# Altium PCB extio.PcbDoc (part 1 of 2) (continued)
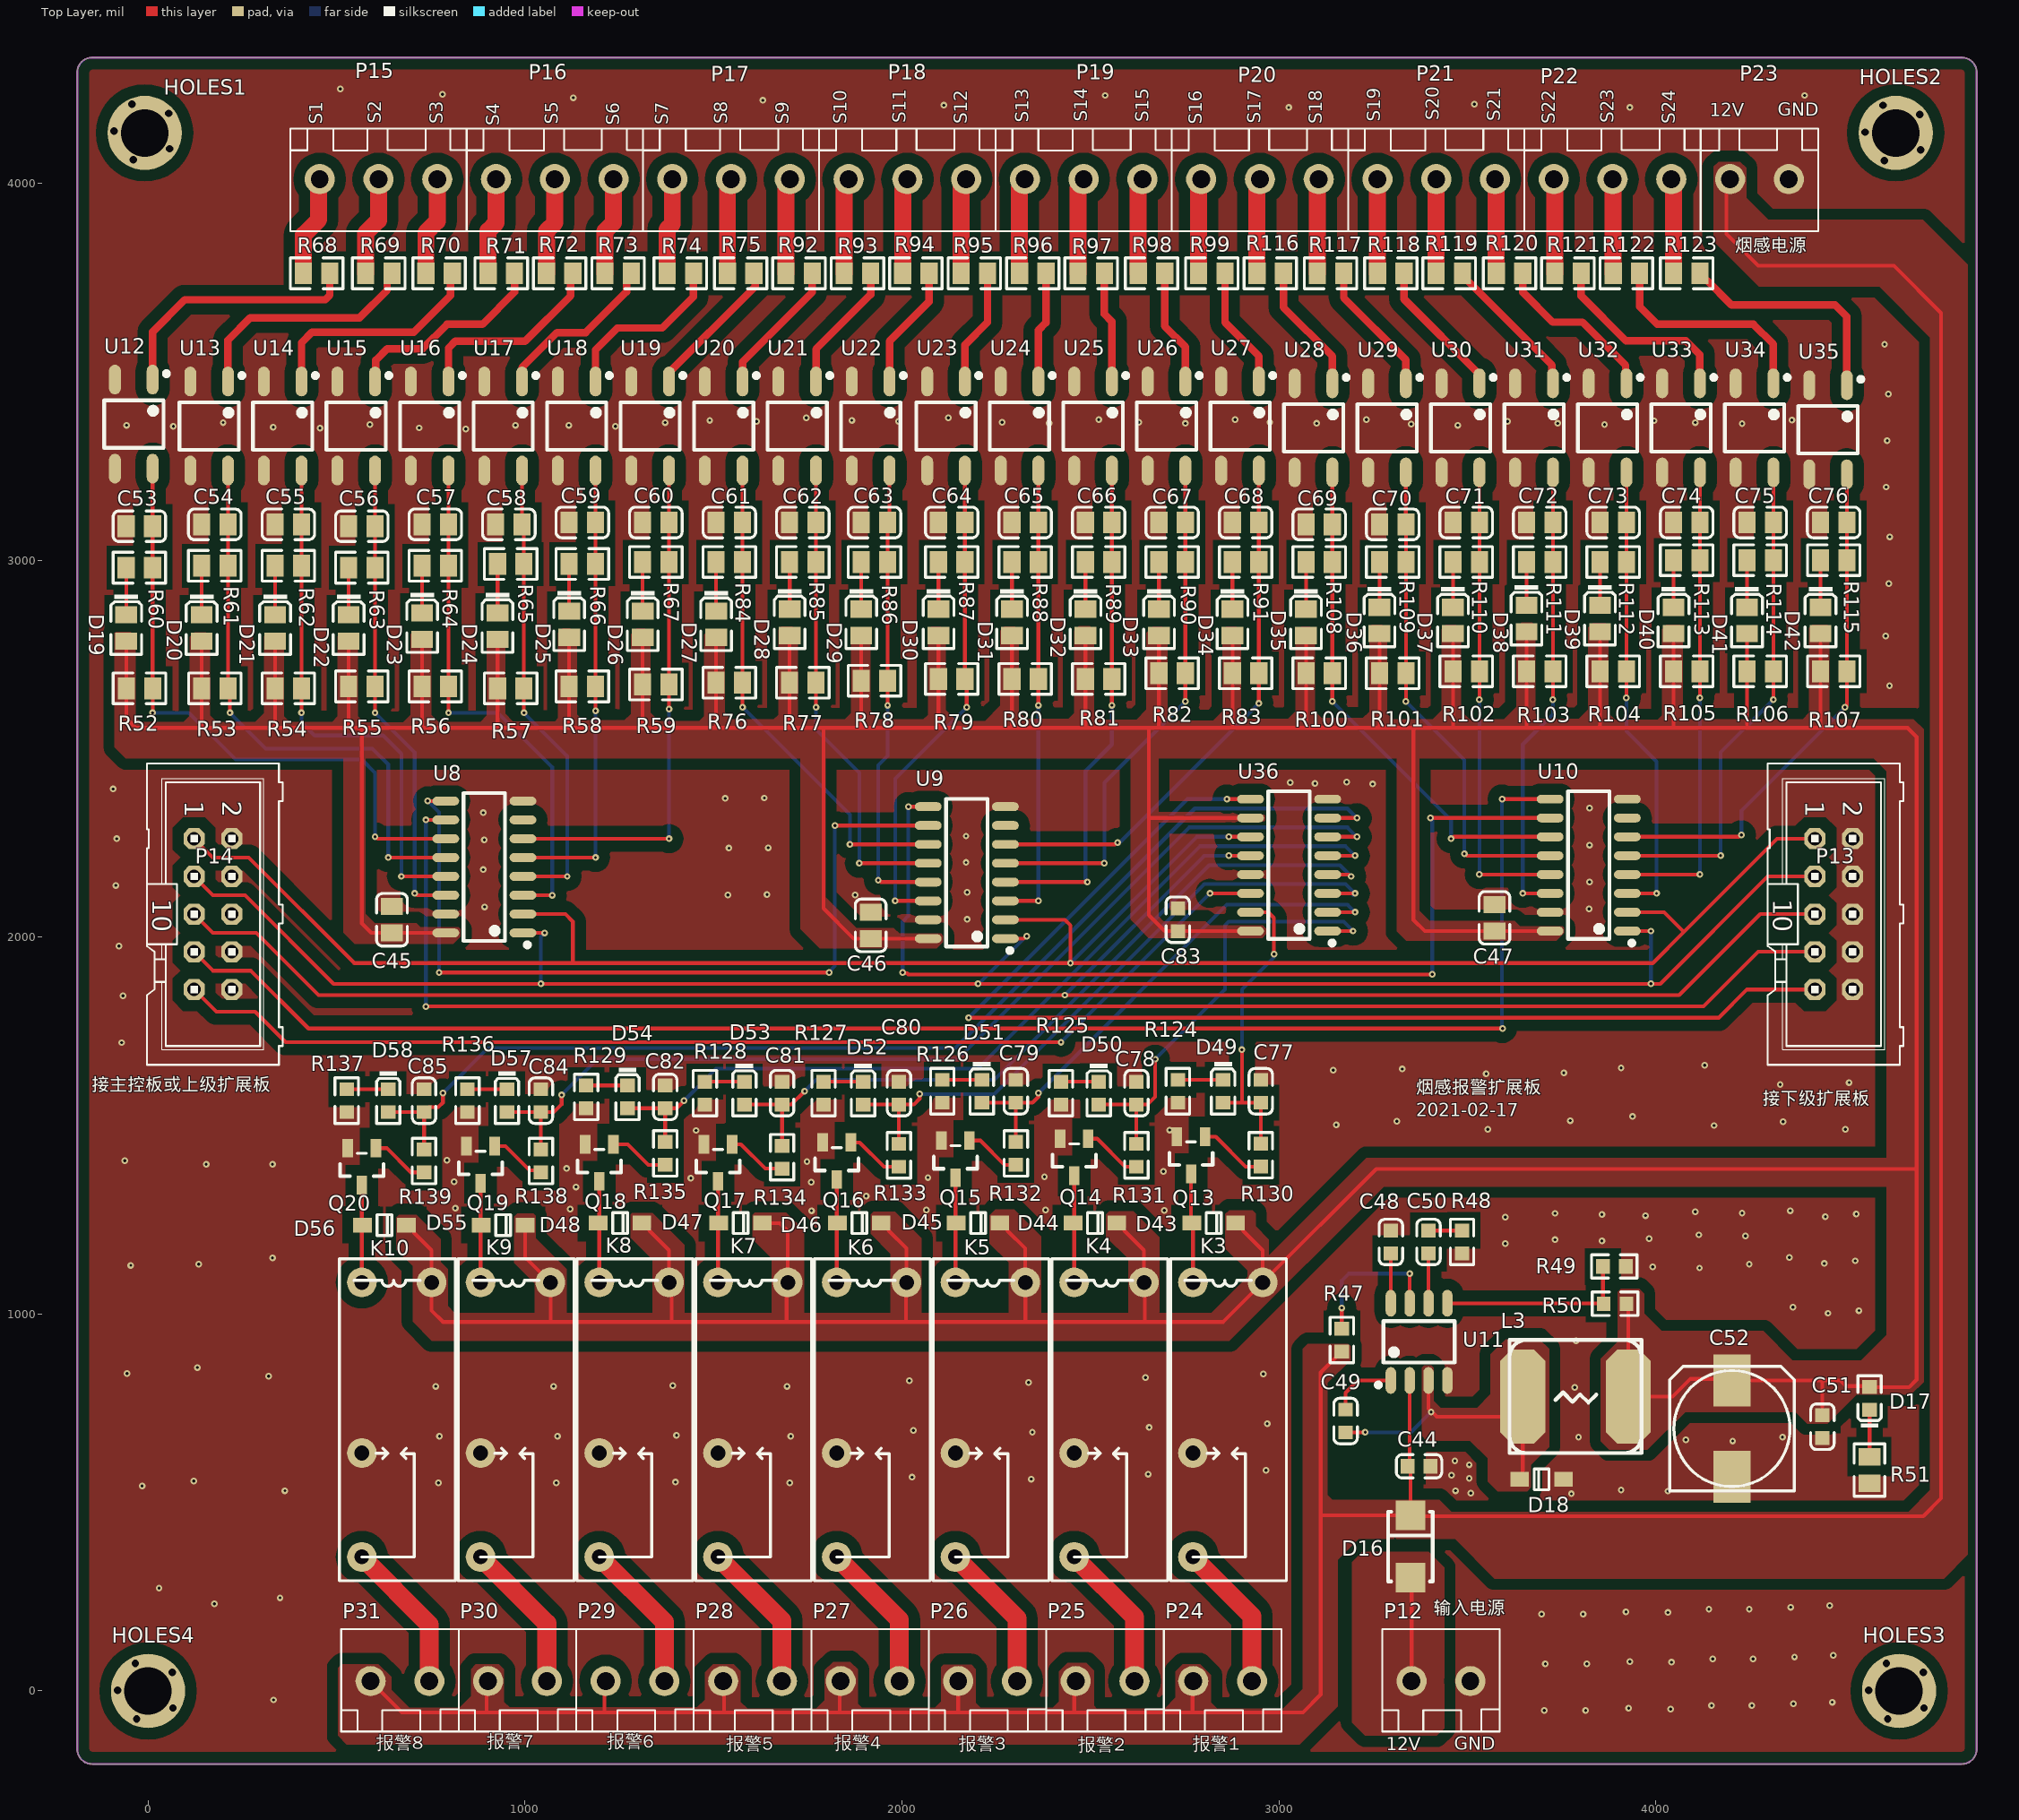
[diagram p0: Top Layer view]
## Components (designator, comment, footprint, x,y, rotation, side; value= is the part's Value field where it differs from the comment) (continued)
R81 "10KΩ (1002) ±1%" 0805_R 2522.15,2685.15 r180 top
R82 "10KΩ (1002) ±1%" 0805_R 2717.15,2700.15 r180 top
R83 "10KΩ (1002) ±1%" 0805_R 2912.15,2700.15 r180 top
R84 "5.1KΩ (5101) ±1%" 0805_R 1542.15,2995.15 r0 top
R85 "5.1KΩ (5101) ±1%" 0805_R 1737.11,2995.15 r0 top
R86 "5.1KΩ (5101) ±1%" 0805_R 1927.15,2995.15 r0 top
R87 "5.1KΩ (5101) ±1%" 0805_R 2132.11,2995.15 r0 top
R88 "5.1KΩ (5101) ±1%" 0805_R 2327.15,2995.15 r0 top
R89 "5.1KΩ (5101) ±1%" 0805_R 2522.15,2995.15 r0 top
R90 "5.1KΩ (5101) ±1%" 0805_R 2717.15,2995.15 r0 top
R91 "5.1KΩ (5101) ±1%" 0805_R 2912.15,2995.15 r0 top
R92 "1KΩ (1001) ±1%" 0805_R 1727.15,3761.15 r0 top
R93 "1KΩ (1001) ±1%" 0805_R 1882.15,3761.15 r0 top
R94 "1KΩ (1001) ±1%" 0805_R 2037.15,3761.15 r0 top
R95 "1KΩ (1001) ±1%" 0805_R 2192.15,3761.15 r0 top
R96 "1KΩ (1001) ±1%" 0805_R 2347.15,3761.15 r0 top
R97 "1KΩ (1001) ±1%" 0805_R 2502.15,3761.15 r0 top
R98 "1KΩ (1001) ±1%" 0805_R 2662.15,3761.15 r0 top
R99 "1KΩ (1001) ±1%" 0805_R 2822.15,3761.15 r0 top
R100 "10KΩ (1002) ±1%" 0805_R 3107.15,2700.15 r180 top
R101 "10KΩ (1002) ±1%" 0805_R 3302.15,2700.15 r180 top
R102 "10KΩ (1002) ±1%" 0805_R 3497.15,2705.15 r180 top
R103 "10KΩ (1002) ±1%" 0805_R 3692.15,2705.15 r180 top
R104 "10KΩ (1002) ±1%" 0805_R 3887.15,2705.15 r180 top
R105 "10KΩ (1002) ±1%" 0805_R 4082.15,2705.15 r180 top
R106 "10KΩ (1002) ±1%" 0805_R 4277.15,2705.15 r180 top
R107 "10KΩ (1002) ±1%" 0805_R 4472.15,2705.15 r180 top
R108 "5.1KΩ (5101) ±1%" 0805_R 3107.15,2995.15 r0 top
R109 "5.1KΩ (5101) ±1%" 0805_R 3302.15,2995.15 r0 top
R110 "5.1KΩ (5101) ±1%" 0805_R 3497.11,2995.15 r0 top
R111 "5.1KΩ (5101) ±1%" 0805_R 3692.15,2995.15 r0 top
R112 "5.1KΩ (5101) ±1%" 0805_R 3887.15,2995.15 r0 top
R113 "5.1KΩ (5101) ±1%" 0805_R 4082.15,3000.15 r0 top
R114 "5.1KΩ (5101) ±1%" 0805_R 4277.15,3000.15 r0 top
R115 "5.1KΩ (5101) ±1%" 0805_R 4472.15,3000.15 r0 top
R116 "1KΩ (1001) ±1%" 0805_R 2977.15,3761.15 r0 top
R117 "1KΩ (1001) ±1%" 0805_R 3137.15,3761.15 r0 top
R118 "1KΩ (1001) ±1%" 0805_R 3297.15,3761.15 r0 top
R119 "1KΩ (1001) ±1%" 0805_R 3452.15,3761.15 r0 top
R120 "1KΩ (1001) ±1%" 0805_R 3612.15,3761.15 r0 top
R121 "1KΩ (1001) ±1%" 0805_R 3767.15,3761.15 r0 top
R122 "1KΩ (1001) ±1%" 0805_R 3922.15,3761.15 r0 top
R123 "1KΩ (1001) ±1%" 0805_R 4082.15,3761.15 r0 top
R124 "3.3KΩ (3301) ±1%" 0603_R 2732.15,1591.15 r90 top
R125 "3.3KΩ (3301) ±1%" 0603_R 2422.15,1586.15 r90 top
R126 "3.3KΩ (3301) ±1%" 0603_R 2107.15,1591.15 r90 top
R127 "3.3KΩ (3301) ±1%" 0603_R 1792.15,1586.15 r90 top
R128 "3.3KΩ (3301) ±1%" 0603_R 1477.15,1586.15 r90 top
R129 "3.3KΩ (3301) ±1%" 0603_R 1162.15,1576.15 r90 top
R130 "1KΩ (1001) ±1%" 0603_R 2952.15,1421.46 r270 top
R131 "1KΩ (1001) ±1%" 0603_R 2622.15,1421.15 r270 top
R132 "1KΩ (1001) ±1%" 0603_R 2302.15,1426.15 r270 top
R133 "1KΩ (1001) ±1%" 0603_R 1992.15,1421.15 r270 top
R134 "1KΩ (1001) ±1%" 0603_R 1682.15,1416.15 r270 top
R135 "1KΩ (1001) ±1%" 0603_R 1372.15,1426.15 r270 top
R136 "3.3KΩ (3301) ±1%" 0603_R 847.15,1566.15 r90 top
R137 "3.3KΩ (3301) ±1%" 0603_R 527.15,1566.15 r90 top
R138 "1KΩ (1001) ±1%" 0603_R 1042.15,1406.15 r270 top
R139 "1KΩ (1001) ±1%" 0603_R 732.15,1406.15 r270 top
U8 "74HC165D" SOIC-16_150mil 892.15,2186.15 r90 top
U9 "74HC165D" SOIC-16_150mil 2172.15,2171.15 r90 top
U10 "74HC165D" SOIC-16_150mil 3822.15,2191.15 r90 top
U11 "MP1482DS" SOIC-8_150mil 3372.15,926.15 r0 top
U12 "EL357N(B)(TA)-G" SOP-4_P2.54 -37.85,3361.15 r270 top
U13 "EL357N(B)(TA)-G" SOP-4_P2.54 162.15,3356.15 r270 top
U14 "EL357N(B)(TA)-G" SOP-4_P2.54 357.15,3356.15 r270 top
U15 "EL357N(B)(TA)-G" SOP-4_P2.54 552.15,3356.15 r270 top
U16 "EL357N(B)(TA)-G" SOP-4_P2.54 747.15,3356.15 r270 top
U17 "EL357N(B)(TA)-G" SOP-4_P2.54 942.15,3356.15 r270 top
U18 "EL357N(B)(TA)-G" SOP-4_P2.54 1137.15,3356.15 r270 top
U19 "EL357N(B)(TA)-G" SOP-4_P2.54 1332.15,3356.15 r270 top
U20 "EL357N(B)(TA)-G" SOP-4_P2.54 1527.15,3356.15 r270 top
U21 "EL357N(B)(TA)-G" SOP-4_P2.54 1722.15,3356.15 r270 top
U22 "EL357N(B)(TA)-G" SOP-4_P2.54 1917.15,3356.15 r270 top
U23 "EL357N(B)(TA)-G" SOP-4_P2.54 2117.15,3356.15 r270 top
U24 "EL357N(B)(TA)-G" SOP-4_P2.54 2312.15,3356.15 r270 top
U25 "EL357N(B)(TA)-G" SOP-4_P2.54 2507.15,3356.15 r270 top
U26 "EL357N(B)(TA)-G" SOP-4_P2.54 2702.15,3356.15 r270 top
U27 "EL357N(B)(TA)-G" SOP-4_P2.54 2897.15,3356.15 r270 top
U28 "EL357N(B)(TA)-G" SOP-4_P2.54 3092.15,3351.15 r270 top
U29 "EL357N(B)(TA)-G" SOP-4_P2.54 3287.15,3351.15 r270 top
U30 "EL357N(B)(TA)-G" SOP-4_P2.54 3482.15,3351.15 r270 top
U31 "EL357N(B)(TA)-G" SOP-4_P2.54 3677.15,3351.15 r270 top
U32 "EL357N(B)(TA)-G" SOP-4_P2.54 3872.15,3351.15 r270 top
U33 "EL357N(B)(TA)-G" SOP-4_P2.54 4067.15,3351.15 r270 top
U34 "EL357N(B)(TA)-G" SOP-4_P2.54 4262.15,3351.15 r270 top
U35 "EL357N(B)(TA)-G" SOP-4_P2.54 4457.15,3346.15 r270 top
U36 "74HC595D" SOIC-16_150mil 3027.15,2191.15 r90 top

## Footprints (in the part's own frame and the unit in brackets; to place one, negate y for a bottom-side part, rotate by r counter-clockwise, add the part's x,y. Pads: shape width x height; smd on the part's side, far side on the other; paste and mask are expansions set on the pad)
153CLV-0810 [mm]
  rect 3.5x2.5 smd: 1(3.25,0) 2(-3.25,0)
  silkscreen extent -4.2,-4.2 4.2,4.2
0603_C [mm]
  rect 0.93x0.98 smd: 1(-0.77,0) 2(0.77,0)
  silkscreen extent -1.53,-0.79 1.54,0.79, body extent -0.8,-0.4 0.8,0.4, height 0.3
0603_LED_S1 [mm]
  rect 0.93x0.98 smd: A(0.77,0) K(-0.77,0)
  silkscreen extent -1.98,-0.79 1.54,0.79, body extent -0.8,-0.4 0.8,0.4, height 0.6
0603_R [mm]
  rect 0.93x0.98 smd: 1(-0.77,0) 2(0.77,0)
  silkscreen extent -1.53,-0.79 1.54,0.79, body extent -0.85,-0.4 0.85,0.4, height 0.56
0805_C [mm]
  rect 1.16x1.47 smd: 1(-0.89,0) 2(0.89,0)
  silkscreen extent -1.77,-1.04 1.77,1.04, body extent -1,-0.62 1,0.63, height 0.77
0805_LED_S1 [mm]
  rect 1.16x1.47 smd: A(0.89,0) K(-0.89,0)
  silkscreen extent -2.25,-1.04 1.77,1.03, body extent -1.01,-0.62 1.01,0.62, height 1.1
0805_R [mm]
  rect 1.16x1.47 smd: 1(-0.89,0) 2(0.89,0)
  silkscreen extent -1.77,-1.04 1.77,1.03, body extent -1,-0.62 1,0.63, height 0.49
G5NB-1A [mm]
  round 2 hole 1: 1(0,0) 2(11.5,0) 3(18.5,0) 4(0,4.7)
  silkscreen extent -1.6,-1.5 20.1,6.3
HOLES#1 [mm]
  round 0.5 hole 0.5: 1(-1.956,0.991) 1(-1.219,-1.448) 1(-0.025,2.286) 1(1.168,-1.397) 1(1.778,1.092)
  round 5 hole 3.2: 1(-0.152,0.229)
HOLES#2 [mm]
  round 0.5 hole 0.5: 1(-1.956,0.991) 1(-1.219,-1.448) 1(-0.025,2.286) 1(1.168,-1.397) 1(1.778,1.092)
  round 5 hole 3.2: 1(-0.076,0.229)
KF396-2P [mil]
  round 80 hole 47.24: 1(0,0) 2(155.91,0)
  silkscreen extent -78,-134 234,138
KF396-3P [mil]
  round 80 hole 47.24: 1(0,0) 2(155.91,0) 3(311.81,0)
  silkscreen extent -78,-134 390,138
L7-8 [mil]
  oct 120x250 smd: 1(-140,0) 2(140,0)
  silkscreen extent -175,-150 175,150
ML10 [mil]
  oct 56x56 hole 36: 1(-200,-50) 2(-200,50) 3(-100,-50) 4(-100,50) 5(0,-50) 6(0,50) 7(100,-50) 8(100,50) 9(200,-50) 10(200,50)
  silkscreen extent -400,-175 400,185
SMA(DO-214AC)_S1 [mm]
  rect 2x2 smd: 1(2.1,0) 2(-2.1,0)
  silkscreen extent -2.35,-1.5 2.35,1.5
SOD-123 [mm]
  rect 1.25x1 smd: 1(1.475,0) 2(-1.475,0)
  silkscreen extent -0.5,-0.7 0.5,0.7, body extent -1.85,-0.77 1.85,0.78, height 1.35
SOIC-8_150mil [mm]
  oval 0.7x1.8 smd: 1(-1.905,-2.6) 2(-0.635,-2.6) 3(0.635,-2.6) 4(1.905,-2.6) 5(1.905,2.6) 6(0.635,2.6) 7(-0.635,2.6) 8(-1.905,2.6)
  silkscreen extent -2.9,-3.05 2.4,1.4
SOIC-16_150mil [mm]
  oval 0.6x1.8 smd: 1(-4.445,-2.6) 2(-3.175,-2.6) 3(-1.905,-2.6) 4(-0.635,-2.6) 5(0.635,-2.6) 6(1.905,-2.6) 7(3.175,-2.6) 8(4.445,-2.6) 9(4.445,2.6) 10(3.175,2.6) 11(1.905,2.6) 12(0.635,2.6) 13(-0.635,2.6) 14(-1.905,2.6) 15(-3.175,2.6) 16(-4.445,2.6)
  silkscreen extent -5.4,-3.05 4.97,1.4, body extent -4.95,-2.97 4.95,3.03, height 1.75
SOP-4_P2.54 [mm]
  oval 2x0.8 smd: 1(-3,1.27) 2(-3,-1.27) 3(3,-1.27) 4(3,1.27)
  silkscreen extent -3.55,-2 1.6,2.35
SOT-23(SOT-23-3) [mm]
  rect 1.25x0.7 smd: 1(1.25,-0.95) 2(1.25,0.95) 3(-1.25,0)
  silkscreen extent -0.65,-1.46 0.9,1.46, body extent -1.5,-1.5 1.5,1.5, height 1.3

## Part data
C44 C48 C51: library part "0603 100nF (104) 10% 50V", "贴片电容", Package=0603, SuppliersPartNumber=C14663, ComponentLink1Description=供应商链接, ComponentLink1URL=http://www.szlcsc.com/product/details_15331.html, Supplier=LC
C45 C46 C47 C53 C54 C55 C56 C57 C58 C59 C60 C61 C62 C63 C64 C65 C66 C67 C68 C69 C70 C71 C72 C73 C74 C75 C76: library part "0805 100nF(104) 10% 50V", "贴片电容", Package=0805, SuppliersPartNumber=C49678, ComponentLink1Description=供应商链接, ComponentLink1URL=http://www.szlcsc.com/product/details_50686.html, Supplier=LC
C49 C77 C78 C79 C80 C81 C82 C83 C84 C85: library part "0603 10nF (103) 10% 50V", "贴片电容", Package=0603, SuppliersPartNumber=C57112, ComponentLink1Description=供应商链接, ComponentLink1URL=http://www.szlcsc.com/product/details_58143.html, Supplier=LC
C50: library part "0603 3.3nF (332) 10% 50V", "贴片电容", Package=0603, SuppliersPartNumber=C1613, ComponentLink1Description=供应商链接, ComponentLink1URL=http://www.szlcsc.com/product/details_1965.html, Supplier=LC
C52: library part ELECTRO1, "Electrolytic Capacitor"
D16: library part "SMA(DO-214AC) M7", "二极管", Package=SMA(DO-214AC), SuppliersPartNumber=C95872, ComponentLink1Description=供应商链接, ComponentLink1URL=http://www.szlcsc.com/product/details_2841.html, Notepad="1N4007 4007 编号C2464 已经停售, 使用新物料编号C95872", Supplier=LC
D17 D49 D50 D51 D52 D53 D54 D57 D58: library part "0603 红灯", "发光二极管", Package=0603, SuppliersPartNumber=C2286, ComponentLink1Description=供应商链接, ComponentLink1URL=http://www.szlcsc.com/product/details_2659.html, Supplier=LC
D18 D43 D44 D45 D46 D47 D48 D55 D56: library part "SOD-123 B5819W  SL", "肖特基二极管", Package=SOD-123, SuppliersPartNumber=C8598, ComponentLink1Description=供应商链接, ComponentLink1URL=http://www.szlcsc.com/product/details_9093.html, Supplier=LC
D19 D20 D21 D22 D23 D24 D25 D26 D27 D28 D29 D30 D31 D32 D33 D34 D35 D36 D37 D38 D39 D40 D41 D42: library part "0805 红灯", "发光二极管", Package=0805, SuppliersPartNumber=C2295, ComponentLink1Description=供应商链接, ComponentLink1URL=http://www.szlcsc.com/product/details_2668.html, Supplier=LC
HOLES1 HOLES2 HOLES3 HOLES4: "holes for fastening"
L3: library part "INDUCTOR IRON"
P12 P23 P24 P25 P26 P27 P28 P29 P30 P31: "Header, 2-Pin", LatestRevisionDate=17-Jul-2002, LatestRevisionNote="Re-released for DXP Platform.", Publisher="Altium Limited"
P13 P14: "Header, 5-Pin, Dual row", LatestRevisionDate=17-Jul-2002, LatestRevisionNote="Re-released for DXP Platform.", Publisher="Altium Limited"
P15 P16 P17 P18 P19 P20 P21 P22: "Header, 3-Pin", LatestRevisionDate=17-Jul-2002, LatestRevisionNote="Re-released for DXP Platform.", Publisher="Altium Limited"
Q13 Q14 Q15 Q16 Q17 Q18 Q19 Q20: library part "SOT-23 SS8050 Y1", "三极管", Package=SOT-23, SuppliersPartNumber=C2150, ComponentLink1Description=供应商链接, ComponentLink1URL=http://www.szlcsc.com/product/details_2507.html, Supplier=LC
R47: library part "0603 100KΩ (1003) 1%", "贴片电阻", Package=0603, SuppliersPartNumber=C25803, ComponentLink1Description=供应商链接, ComponentLink1URL=http://www.szlcsc.com/product/details_26546.html, Supplier=LC
R48: library part "0603 5.6KΩ (5601) 1%", "贴片电阻", Package=0603, SuppliersPartNumber=C23189, ComponentLink1Description=供应商链接, ComponentLink1URL=http://www.szlcsc.com/product/details_23916.html, Supplier=LC
R49: library part "0603 33KΩ (3302) 1%", "贴片电阻", Package=0603, SuppliersPartNumber=C4216, ComponentLink1Description=供应商链接, ComponentLink1URL=http://www.szlcsc.com/product/details_4623.html, Supplier=LC
R50: library part "0603 150KΩ (1503) 1%", "贴片电阻", Package=0603, SuppliersPartNumber=C22807, ComponentLink1Description=供应商链接, ComponentLink1URL=http://www.szlcsc.com/product/details_23534.html, Supplier=LC
R51 R60 R61 R62 R63 R64 R65 R66 R67 R84 R85 R86 R87 R88 R89 R90 R91 R108 R109 R110 R111 R112 R113 R114 R115: library part "0805 5.1KΩ (5101) 1%", "贴片电阻", Package=0805, SuppliersPartNumber=C27834, ComponentLink1Description=供应商链接, ComponentLink1URL=http://www.szlcsc.com/product/details_28584.html, Supplier=LC
R52 R53 R54 R55 R56 R57 R58 R59 R76 R77 R78 R79 R80 R81 R82 R83 R100 R101 R102 R103 R104 R105 R106 R107: library part "0805 10KΩ (1002) 1%", "贴片电阻", Package=0805, SuppliersPartNumber=C17414, ComponentLink1Description=供应商链接, ComponentLink1URL=http://www.szlcsc.com/product/details_18102.html, Supplier=LC
R68 R69 R70 R71 R72 R73 R74 R75 R92 R93 R94 R95 R96 R97 R98 R99 R116 R117 R118 R119 R120 R121 R122 R123: library part "0805 1KΩ (1001) 1%", "贴片电阻", Package=0805, SuppliersPartNumber=C17513, ComponentLink1Description=供应商链接, ComponentLink1URL=http://www.szlcsc.com/product/details_18201.html, Supplier=LC
R124 R125 R126 R127 R128 R129 R136 R137: library part "0603 3.3KΩ (3301) 1%", "贴片电阻", Package=0603, SuppliersPartNumber=C22978, ComponentLink1Description=供应商链接, ComponentLink1URL=http://www.szlcsc.com/product/details_23705.html, Supplier=LC
R130 R131 R132 R133 R134 R135 R138 R139: library part "0603 1KΩ (1001) 1%", "贴片电阻", Package=0603, SuppliersPartNumber=C21190, ComponentLink1Description=供应商链接, ComponentLink1URL=http://www.szlcsc.com/product/details_21904.html, Supplier=LC
U8 U9 U10: library part 74HC165D_[C5613], "74系列逻辑芯片", Package=SOIC-16_150mil, SuppliersPartNumber=C5613, ComponentLink1Description=供应商链接, ComponentLink1URL=http://www.szlcsc.com/product/details_6064.html, Supplier=LC
U11: library part MP1482DS_[C14867], "电源芯片", Package=SOIC-8_150mil, SuppliersPartNumber=C14867, ComponentLink1Description=供应商链接, ComponentLink1URL=http://www.szlcsc.com/product/details_15539.html, Supplier=LC
U12 U13 U14 U15 U16 U17 U18 U19 U20 U21 U22 U23 U24 U25 U26 U27 U28 U29 U30 U31 U32 U33 U34 U35: library part EL357N(B)(TA)-G_[C6649], "贴片光耦", Package=SOP-4_P2.54, SuppliersPartNumber=C6649, ComponentLink1Description=供应商链接, ComponentLink1URL=http://www.szlcsc.com/product/details_7114.html, Supplier=LC
U36: library part 74HC595D_[C5947], "74系列逻辑芯片", Package=SOIC-16_150mil, SuppliersPartNumber=C5947, ComponentLink1Description=供应商链接, ComponentLink1URL=http://www.szlcsc.com/product/details_6413.html, Supplier=LC

## Via types
v1: diameter 17.72, hole 7.87, Top Layer to Bottom Layer, 315 vias

## Nets (pads, with @x,y where several pads share a name; then routed paths per layer and width w, separated by ;. In a path a pad name is that pad's centre, name@x,y a point inside that pad or via, vN(x,y) a via of type N, cw(c..) or ccw(c..) an arc to the next point about the centre after c; other vN are vias at no path point)
5V: C45.1 C46.1 C47.1 C51.1 C52.1 C83.1 D17.A D19.A D20.A D21.A D22.A D23.A D24.A D25.A D26.A D27.A D28.A D29.A D30.A D31.A D32.A D33.A D34.A D35.A D36.A D37.A D38.A D39.A D40.A D41.A D42.A D43.2 D44.2 D45.2 D46.2 D47.2 D48.2 D55.2 D56.2 K3.4 K4.4 K5.4 K6.4 K7.4 K8.4 K9.4 K10.4 L3.2 R50.2 R52.2 R53.2 R54.2 R55.2 R56.2 R57.2 R58.2 R59.2 R76.2 R77.2 R78.2 R79.2 R80.2 R81.2 R82.2 R83.2 R100.2 R101.2 R102.2 R103.2 R104.2 R105.2 R106.2 R107.2 U8.16 U9.16 U10.16 U36.10 U36.16 | length 23254.7
  Top Layer w10: D19.A@-57.85,2785.07 R52.2@-57.85,2660.15 -57.85,2580.15 -32.85,2555.15 142.15,2555.15 142.11,2555.19 ; D20.A@142.15,2785.11 R53.2@142.11,2660.15 R53.2@142.11,2660.15 142.11,2555.19 ; D21.A@337.15,2785.07 D21.A@337.15,2785.07 R54.2@337.11,2660.15 337.11,2555.21 ; D22.A@532.15,2785.07 D22.A@532.15,2785.07 R55.2@532.11,2665.15 532.11,2555.23 532.15,2555.19 ; D56.2@685.22,1236.15 690.14,1236.15 704.83,1221.46 704.83,1216.54 752.19,1169.18 K10.4@752.19,1083.91 752.19,1009.11 782.15,979.15 1068.15,979.15 ; D23.A@727.15,2790.07 R56.2@727.11,2665.15 R56.2@727.11,2665.15 727.11,2555.23 727.15,2555.19 ; U8.16@789.79,2011.15 C45.1@647.15,2011.11 C45.1@647.15,2011.11 592.19,2011.11 567.15,2036.15 567.15,2555.19 ; D24.A@927.15,2790.11 927.07,2790.03 R57.2@927.07,2660.15 927.07,2555.27 927.15,2555.19 ; D55.2@1000.22,1236.15 1000.22,1150.87 K9.4@1067.19,1083.91 1068.15,1082.94 1068.15,979.15 ; D25.A@1117.15,2795.11 1117.11,2795.07 R58.2@1117.11,2665.15 1117.11,2557.73 1119.65,2555.19 ; D48.2@1310.22,1241.15 1315.14,1241.15 1329.83,1226.46 1329.83,1221.54 1382.19,1169.18 K8.4@1382.19,1083.91 1389.15,1076.94 1389.15,979.15 ; D26.A@1312.15,2795.11 R59.2@1312.11,2670.15 R59.2@1312.11,2670.15 1312.11,2555.23 1312.15,2555.19 ; D27.A@1507.15,2795.11 1507.11,2795.07 R76.2@1507.11,2675.15 1507.11,2555.23 1507.15,2555.19 ; D47.2@1630.22,1241.15 1676.15,1241.15 1697.19,1220.11 K7.4@1697.19,1083.91 1694.15,1080.87 1694.15,979.15 ; D28.A@1702.15,2800.07 D28.A@1702.15,2800.07 R77.2@1702.11,2675.15 1702.11,2555.23 1702.15,2555.19 ; D29.A@1892.15,2800.11 1892.11,2800.07 R78.2@1892.11,2680.15 1892.11,2555.23 1892.15,2555.19 ; D46.2@1945.22,1241.15 1950.14,1241.15 1964.83,1226.46 1964.83,1221.54 2012.19,1174.18 K6.4@2012.19,1083.91 2011.15,1082.87 2011.15,979.15 ; U9.16@2069.79,1996.15 C46.1@1917.15,1996.11 C46.1@1917.15,1996.11 1872.19,1996.11 1792.15,2076.15 1792.15,2555.19 ; D30.A@2097.15,2800.07 R79.2@2097.11,2685.15 R79.2@2097.11,2685.15 2097.11,2555.23 2097.15,2555.19 ; D45.2@2260.22,1241.15 2265.14,1241.15 2279.83,1226.46 2279.83,1221.54 2327.19,1174.18 K5.4@2327.19,1083.91 2327.65,1083.44 2327.65,979.15 ; D31.A@2292.15,2800.11 2292.11,2800.07 R80.2@2292.11,2685.15 2292.11,2555.23 2292.15,2555.19 ; D32.A@2487.15,2800.11 2487.11,2800.07 R81.2@2487.11,2685.15 2487.11,2555.23 2487.15,2555.19 ; D44.2@2570.22,1241.15 2575.14,1241.15 2589.83,1226.46 2589.83,1221.54 2642.19,1169.18 K4.4@2642.19,1083.91 2644.15,1081.94 2644.15,979.15 ; D33.A@2682.15,2800.11 R82.2@2682.11,2700.15 R82.2@2682.11,2700.15 2682.11,2555.23 2682.15,2555.19 ; D34.A@2877.15,2800.11 R83.2@2877.11,2700.15 R83.2@2877.11,2700.15 R83.2@2877.11,2700.15 2877.15,2555.19 ; D43.2@2885.22,1241.15 2890.14,1241.15 2904.83,1226.46 2904.83,1221.54 2957.19,1169.18 K3.4@2957.19,1083.91 ; U36.16@2924.79,2016.15 2732.46,2016.15 C83.1@2732.15,2015.83 2697.46,2015.83 2654.89,2058.41 2654.89,2316.41 ; U36.10@2924.79,2316.15 2924.53,2316.41 2654.89,2316.41 ; D35.A@3072.15,2800.11 R100.2@3072.11,2700.15 R100.2@3072.11,2700.15 3072.11,2555.23 3072.15,2555.19 ; R101.2@3267.11,2700.15 3267.11,2560.15 3262.15,2555.19 ; R101.2@3267.11,2705.15 3267.15,2705.19 D36.A@3267.15,2805.11 ; D37.A@3462.15,2805.11 3462.11,2805.07 R102.2@3462.11,2705.15 3462.11,2555.23 3462.15,2555.19 ; D38.A@3657.15,2810.11 R103.2@3657.11,2705.15 R103.2@3657.11,2705.15 3657.11,2555.23 3657.15,2555.19 ; U10.16@3719.79,2016.15 C47.1@3572.15,2016.11 C47.1@3572.15,2016.11 3387.19,2016.11 3357.15,2046.15 3357.15,2550.19 3362.15,2555.19 ; D39.A@3852.15,2810.11 3852.11,2810.07 R104.2@3852.11,2705.15 3852.11,2560.15 3847.15,2555.19 ; R50.2@3922.46,1027.15 3927.15,1022.46 L3.2@3927.15,781.15 4045.15,781.15 4092.15,828.15 4198.1,828.15 C52.1@4202.15,824.1 4443.15,824.1 ; D40.A@4047.15,2805.11 R105.2@4047.11,2705.15 R105.2@4047.11,2705.15 4047.11,2555.23 4047.15,2555.19 ; D41.A@4242.15,2805.11 4242.11,2805.07 R106.2@4242.11,2705.15 4242.11,2555.23 4242.15,2555.19 ; D42.A@4437.15,2805.11 R107.2@4437.11,2705.15 R107.2@4437.11,2705.15 4437.11,2555.23 4437.15,2555.19 ; C51.1@4442.15,731.46 4442.15,823.1 4443.15,824.1 ; 142.11,2555.19 337.13,2555.19 ; 337.13,2555.19 532.15,2555.19 ; 532.15,2555.19 567.15,2555.19 ; 567.15,2555.19 727.15,2555.19 ; 727.15,2555.19 927.15,2555.19 ; 927.15,2555.19 1119.65,2555.19 ; 1068.15,979.15 1389.15,979.15 ; 1119.65,2555.19 1312.15,2555.19 ; 1312.15,2555.19 1507.15,2555.19 ; 1389.15,979.15 1694.15,979.15 ; 1507.15,2555.19 1702.15,2555.19 ; 1694.15,979.15 2011.15,979.15 ; 1702.15,2555.19 1792.15,2555.19 ; 1792.15,2555.19 1892.15,2555.19 ; 1892.15,2555.19 2097.15,2555.19 ; 2011.15,979.15 2327.65,979.15 ; 2097.15,2555.19 2292.15,2555.19 ; 2292.15,2555.19 2487.15,2555.19 ; 2327.65,979.15 2644.15,979.15 ; 2487.15,2555.19 2654.89,2555.19 ; 2644.15,979.15 2852.43,979.15 K3.4@2957.19,1083.91 ; 2654.89,2316.41 2654.89,2555.19 ; 2654.89,2555.19 2682.15,2555.19 ; 2682.15,2555.19 2877.15,2555.19 ; 2877.15,2555.19 3072.15,2555.19 ; K3.4@2957.19,1083.91 3258.43,1385.15 4692.15,1385.15 ; 3072.15,2555.19 3262.15,2555.19 ; 3262.15,2555.19 3267.11,2555.19 3357.15,2555.19 3362.15,2555.19 ; 3362.15,2555.19 3462.15,2555.19 ; 3462.15,2555.19 3657.15,2555.19 ; 3657.15,2555.19 3847.15,2555.19 ; 3847.15,2555.19 3852.11,2555.19 4047.15,2555.19 ; 4047.15,2555.19 4242.15,2555.19 ; 4242.15,2555.19 4437.15,2555.19 ; 4437.15,2555.19 4668.11,2555.19 4692.15,2531.15 4692.15,1385.15 ; 4443.15,824.1 4489.2,824.1 4504.15,809.15 4564.46,809.15 D17.A@4567.15,806.46 4567.46,806.15 4672.15,806.15 4692.15,826.15 4692.15,1385.15
+12: C44.2 D16.2 P23.2 P24.1 P25.1 P26.1 P27.1 P28.1 P29.1 P30.1 P31.1 R47.1 U11.2 | length 10088.1
  Top Layer w10: P31.1@590.34,26.15 673.34,-56.85 898.15,-56.85 ; P30.1@902.15,26.15 898.15,22.15 898.15,-56.85 ; P29.1@1213.96,26.15 1211.15,23.34 1211.15,-56.85 ; P28.1@1525.77,26.15 1528.15,23.77 1528.15,-56.85 ; P27.1@1837.58,26.15 1835.15,23.72 1835.15,-56.85 ; P26.1@2149.39,26.15 2149.15,25.91 2149.15,-56.85 ; P25.1@2461.2,26.15 2457.15,22.09 2457.15,-56.85 ; P24.1@2773.02,26.15 2771.15,24.28 2771.15,-56.85 ; R47.1@3167.15,900.83 3166.17,900.83 3152.86,887.53 3152.86,886.54 3111.15,844.83 3111.15,467.15 ; C44.2@3341.83,596.15 C44.2@3347.15,601.46 ; D16.2@3342.15,463.83 4709.83,463.83 4757.15,511.15 4757.15,3656.15 4632.15,3781.15 4272.15,3781.15 4187.15,3866.15 4187.15,4001.11 P23.2@4197.19,4011.15 ; U11.2@3347.15,823.79 C44.2@3347.15,601.46 ; 898.15,-56.85 1211.15,-56.85 ; 1211.15,-56.85 1528.15,-56.85 ; 1528.15,-56.85 1835.15,-56.85 ; 1835.15,-56.85 2149.15,-56.85 ; 2149.15,-56.85 2457.15,-56.85 ; 2457.15,-56.85 2771.15,-56.85 ; 2771.15,-56.85 3064.15,-56.85 3111.15,-9.85 3111.15,467.15 ; 3111.15,467.15 3112.47,465.83 D16.2@3349.15,465.83 3349.15,599.46 C44.2@3347.15,601.46
ALARM: P14.9 U36.14 | length 3024.2
  Top Layer w10: P14.9@122.15,1861.15 181.15,1802.15 284.15,1802.15 365.15,1721.15 v1(2422.15,1721.15) ; v1(2817.15,2116.15) U36.14@2924.79,2116.15
  Bottom Layer w10: v1(2422.15,1721.15) v1(2817.15,2116.15)
ALARM0: C77.1 D49.A R130.1 U36.15 | length 803.2
  Top Layer w10: D49.A@2852.15,1560.83 2902.15,1560.83 ; v1(2902.15,1701.15) 2902.15,1560.83 ; U36.15@2924.79,2066.15 2972.15,2066.15 2987.15,2051.15 v1(2987.15,1955.01) ; R130.1@2952.15,1451.78 C77.1@2952.15,1560.83 2902.15,1560.83
  Bottom Layer w10: v1(2902.15,1701.15) 2902.15,1861.15 2987.15,1946.15 v1(2987.15,1955.01)
ALARM1: C78.1 D50.A R131.1 U36.1 | length 1216.5
  Top Layer w10: D50.A@2522.15,1555.83 2572.15,1555.83 C78.1@2622.15,1555.83 ; R131.1@2622.15,1451.46 C78.1@2622.15,1555.83 ; v1(2672.15,1676.15) 2672.15,1576.15 2651.83,1555.83 C78.1@2622.15,1555.83 ; U36.1@3129.51,2016.15 v1(3197.15,2016.15)
  Bottom Layer w10: v1(2672.15,1676.15) 2857.15,1861.15 2857.15,2031.15 2867.15,2041.15 3172.15,2041.15 v1(3197.15,2016.15)
ALARM2: C79.1 D51.A R132.1 U36.2 | length 1398.7
  Top Layer w10: D51.A@2212.15,1560.83 C79.1@2302.15,1560.83 ; R132.1@2302.15,1456.46 C79.1@2302.15,1560.83 ; v1(2362.15,1586.15) 2362.15,1576.15 2346.83,1560.83 C79.1@2302.15,1560.83 ; U36.2@3129.51,2066.15 v1(3202.15,2066.15)
  Bottom Layer w10: v1(2362.15,1586.15) 2862.15,2086.15 3182.15,2086.15 v1(3202.15,2066.15)
ALARM3: C80.1 D52.A R133.1 U36.3 | length 1749.2
  Top Layer w10: D52.A@1897.15,1555.83 C80.1@1992.15,1555.83 ; R133.1@1992.15,1451.46 C80.1@1992.15,1555.83 ; v1(2047.15,1583.65) 2047.15,1571.15 2031.83,1555.83 C80.1@1992.15,1555.83 ; U36.3@3129.51,2116.15 v1(3202.15,2116.15)
  Bottom Layer w10: v1(2047.15,1583.65) 2244.65,1583.65 2802.15,2141.15 3177.15,2141.15 v1(3202.15,2116.15) v1@3197.15,2111.15
ALARM4: C81.1 D53.A R134.1 U36.4 | length 2059.7
  Top Layer w10: D53.A@1582.15,1555.83 C81.1@1682.15,1555.83 ; R134.1@1682.15,1446.46 C81.1@1682.15,1555.83 ; v1(1742.15,1591.15) 1706.83,1555.83 C81.1@1682.15,1555.83 ; U36.4@3129.51,2166.15 3185.06,2166.15 3190.06,2161.15 v1(3192.15,2161.15)
  Bottom Layer w10: v1(1742.15,1591.15) 1772.15,1621.15 2245.15,1621.15 2815.15,2191.15 3162.15,2191.15 v1(3192.15,2161.15)
ALARM5: C82.1 D54.A R135.1 U36.5 | length 2390.4
  Top Layer w10: D54.A@1272.15,1545.83 C82.1@1372.15,1545.83 ; R135.1@1372.15,1456.46 C82.1@1372.15,1545.83 ; v1(1422.15,1566.15) 1401.83,1545.83 C82.1@1372.15,1545.83 ; U36.5@3129.51,2216.15 v1(3202.15,2216.15)
  Bottom Layer w10: v1(1422.15,1566.15) 1507.15,1651.15 2200.89,1651.15 2790.89,2241.15 3177.15,2241.15 v1(3202.15,2216.15)
ALARM6: C84.1 D57.A R138.1 U36.6 | length 2769.9
  Top Layer w10: D57.A@952.15,1535.83 C84.1@1042.15,1535.83 ; R138.1@1042.15,1436.46 C84.1@1042.15,1535.83 ; v1(1097.15,1581.15) 1097.15,1556.15 1076.83,1535.83 C84.1@1042.15,1535.83 ; U36.6@3129.51,2266.15 v1(3207.15,2266.15)
  Bottom Layer w10: v1(1097.15,1581.15) 1192.15,1676.15 2147.15,1676.15 2762.15,2291.15 3182.15,2291.15 v1(3207.15,2266.15)
ALARM7: C85.1 D58.A R139.1 U36.7 | length 3105.6
  Top Layer w10: D58.A@637.15,1535.83 C85.1@732.15,1535.83 ; R139.1@732.15,1436.46 C85.1@732.15,1535.83 ; v1(782.15,1586.15) 782.15,1561.15 770.14,1549.14 745.46,1549.14 C85.1@732.15,1535.83 ; U36.7@3129.51,2316.15 v1(3207.15,2316.15)
  Bottom Layer w10: v1(782.15,1586.15) 902.15,1706.15 2142.15,1706.15 2777.15,2341.15 3182.15,2341.15 v1(3207.15,2316.15)
ALARM_LAST: P13.9 U36.9 | length 3263.9
  Top Layer w10: v1(2177.15,1786.15) 4167.15,1786.15 4242.15,1861.15 P13.9@4422.15,1861.15 ; v1(2862.15,2366.15) U36.9@2924.79,2366.15
  Bottom Layer w10: v1(2177.15,1786.15) 2757.15,2366.15 v1(2862.15,2366.15)
CLK: P13.1 P14.1 U8.2 U9.2 U10.2 U36.11 | length 5891.4
  Top Layer w10: P14.1@122.15,2261.15 172.15,2211.15 267.15,2211.15 547.15,1931.15 1127.15,1931.15 ; U8.2@994.51,2061.15 1107.15,2061.15 1127.15,2041.15 1127.15,1931.15 ; U9.2@2274.51,2046.15 2432.15,2046.15 2447.15,2031.15 v1(2447.15,1931.15) ; v1(2867.15,2266.15) U36.11@2924.79,2266.15 ; U10.2@3924.51,2066.15 4022.15,2066.15 4074.65,2013.65 ; P13.1@4422.15,2261.15 4322.15,2261.15 4074.65,2013.65 ; 1127.15,1931.15 v1(2447.15,1931.15) ; v1(2447.15,1931.15) 3992.15,1931.15 4074.65,2013.65
  Bottom Layer w10: v1(2447.15,1931.15) 2782.15,2266.15 v1(2867.15,2266.15)
GND: C44.1 C45.2 C46.2 C47.2 C48.1 C51.2 C52.2 C53.2 C54.2 C55.2 C56.2 C57.2 C58.2 C59.2 C60.2 C61.2 C62.2 C63.2 C64.2 C65.2 C66.2 C67.2 C68.2 C69.2 C70.2 C71.2 C72.2 C73.2 C74.2 C75.2 C76.2 C77.2 C78.2 C79.2 C80.2 C81.2 C82.2 C83.2 C84.2 C85.2 D18.1 K3.2 K4.2 K5.2 K6.2 K7.2 K8.2 K9.2 K10.2 P12.2 P13.2 P13.4 P13.6 P13.8 P13.10 P14.2 P14.4 P14.6 P14.8 P14.10 P23.1 Q13.2 Q14.2 Q15.2 Q16.2 Q17.2 Q18.2 Q19.2 Q20.2 R48.2 R49.2 R51.2 R124.1 R125.1 R126.1 R127.1 R128.1 R129.1 R136.1 R137.1 U8.8 U8.15 U9.8 U9.15 U10.8 U10.15 U11.4 U12.2 U12.3 U13.2 U13.3 U14.2 U14.3 U15.2 U15.3 U16.2 U16.3 U17.2 U17.3 U18.2 U18.3 U19.2 U19.3 U20.2 U20.3 U21.2 U21.3 U22.2 U22.3 U23.2 U23.3 U24.2 U24.3 U25.2 U25.3 U26.2 U26.3 U27.2 U27.3 U28.2 U28.3 U29.2 U29.3 U30.2 U30.3 U31.2 U31.3 U32.2 U32.3 U33.2 U33.3 U34.2 U34.3 U35.2 U35.3 U36.8 U36.13
  other v1: 3704.15,-51.85 3814.15,-51.85 4039.15,-47.85 3928.15,-45.85 4148.15,-38.85 4255.15,-38.85 4365.15,-33.85 4468.15,-29.85 333.15,-23.85 3707.15,72.15 3817.15,72.15 4042.15,76.15 3931.15,78.15 4151.15,85.15 4258.15,85.15 4368.15,90.15 4471.15,94.15 3697.15,204.15 3807.15,204.15 4032.15,208.15 3921.15,210.15 4141.15,217.15 4248.15,217.15 4358.15,222.15 4461.15,226.15 176.15,231.15 350.15,247.15 29.15,273.15 3776.15,523.15 3509.15,525.15 4032.15,530.15 363.15,531.15 3469.15,531.15 3908.15,533.15 -15.85,544.15 770.15,552.15 1083.15,552.15 1702.15,552.15 1399.15,554.15 121.15,557.15 2343.15,562.15 3505.15,564.15 2027.15,567.15 3458.15,572.15 2653.15,575.15 2966.15,585.15 3505.15,600.15 3467.15,610.15 4204.15,663.15 4080.15,666.15 3795.15,673.15 4336.15,673.15 773.15,676.15 1086.15,676.15 1705.15,676.15 1402.15,678.15 2346.15,686.15 2030.15,691.15 2656.15,699.15 2969.15,709.15 3785.15,805.15 763.15,808.15 1076.15,808.15 1695.15,808.15 1392.15,810.15 2336.15,818.15 2020.15,823.15 2646.15,831.15 320.15,835.15 2959.15,841.15 -55.85,842.15 131.15,858.15 3788.15,929.15 4457.15,1002.15 4539.15,1009.15 4364.15,1018.15 4116.15,1122.15 3992.15,1125.15 -45.85,1129.15 134.15,1132.15 4248.15,1132.15 4447.15,1134.15 4529.15,1141.15 330.15,1149.15 4354.15,1150.15 3601.15,1187.15 3857.15,1194.15 3733.15,1197.15 3982.15,1200.15 4238.15,1207.15 4114.15,1210.15 3601.15,1257.15 4450.15,1258.15 3973.15,1261.15 3857.15,1264.15 4532.15,1265.15 3733.15,1267.15 4229.15,1268.15 4105.15,1271.15 1760.15,1274.15 4357.15,1274.15 2696.15,1275.15 2065.15,1276.15 2381.15,1276.15 1120.15,1278.15 815.15,1281.15 1905.15,1313.15 1135.15,1337.15 1759.15,1350.15 812.15,1351.15 1440.15,1360.15 2069.15,1362.15 2378.15,1364.15 2694.15,1378.15 1110.15,1386.15 154.15,1397.15 330.15,1397.15 1748.15,1404.15 -61.85,1407.15 793.15,1408.15 1454.15,1487.15 2710.15,1488.15 3554.15,1490.15 4503.15,1490.15 4155.15,1500.15 3152.15,1502.15 4338.15,1510.15 3313.15,1511.15 3773.15,1513.15 3938.15,1524.15 4330.15,1609.15 4513.15,1614.15 3550.15,1637.15 3756.15,1640.15 3144.15,1647.15 3327.15,1650.15 3908.15,1653.15 4130.15,1660.15 -69.85,1720.15 -66.85,1844.15 -76.85,1976.15 2173.15,2047.15 3823.15,2075.15 893.15,2080.15 1538.15,2112.15 1876.15,2112.15 1642.15,2113.15 2173.15,2119.15 -85.85,2137.15 3824.15,2146.15 889.15,2179.15 2170.15,2198.15 1541.15,2236.15 1645.15,2237.15 3824.15,2244.15 892.15,2258.15 -82.85,2261.15 2170.15,2268.15 889.15,2330.15 3824.15,2342.15 1531.15,2368.15 1635.15,2369.15 -92.85,2393.15 3249.15,2406.15 3096.15,2408.15 3030.15,2410.15 3180.15,2411.15 4620.15,2667.15 4610.15,2799.15 4618.15,2938.15 4621.15,3062.15 4611.15,3194.15 4614.15,3317.15 843.15,3348.15 456.15,3350.15 719.15,3351.15 332.15,3353.15 67.15,3355.15 1240.15,3355.15 -56.85,3358.15 975.15,3358.15 1116.15,3358.15 3475.15,3358.15 588.15,3360.15 3864.15,3360.15 3351.15,3361.15 4229.15,3362.15 2390.15,3363.15 2752.15,3363.15 3100.15,3363.15 3740.15,3363.15 199.15,3365.15 1372.15,3365.15 4105.15,3365.15 2266.15,3366.15 2628.15,3366.15 2976.15,3366.15 1614.15,3368.15 1991.15,3368.15 3607.15,3368.15 3996.15,3370.15 1490.15,3371.15 1867.15,3371.15 4361.15,3372.15 2522.15,3373.15 2884.15,3373.15 3232.15,3373.15 1746.15,3378.15 2123.15,3378.15 4617.15,3441.15 4607.15,3573.15 3026.15,4201.15 3931.15,4201.15 2111.15,4207.15 3519.15,4210.15 1631.15,4220.15 1128.15,4227.15 2539.15,4233.15 4395.15,4233.15 781.15,4236.15 510.15,4250.15
LE: P13.5 P14.5 U36.12 | length 5124
  Top Layer w10: P14.5@122.15,2061.15 172.15,2011.15 287.15,2011.15 452.15,1846.15 v1(2432.15,1846.15) 4062.15,1846.15 4277.15,2061.15 P13.5@4422.15,2061.15 ; v1(2867.15,2216.15) U36.12@2924.79,2216.15
  Bottom Layer w10: v1(2432.15,1846.15) 2802.15,2216.15 v1(2867.15,2216.15)
NetC48_2: C48.2 U11.8 | length 132.3
  Top Layer w10: U11.8@3297.15,1028.51 C48.2@3297.15,1160.83